# KiCad board hackboard.kicad_pcb (continued)
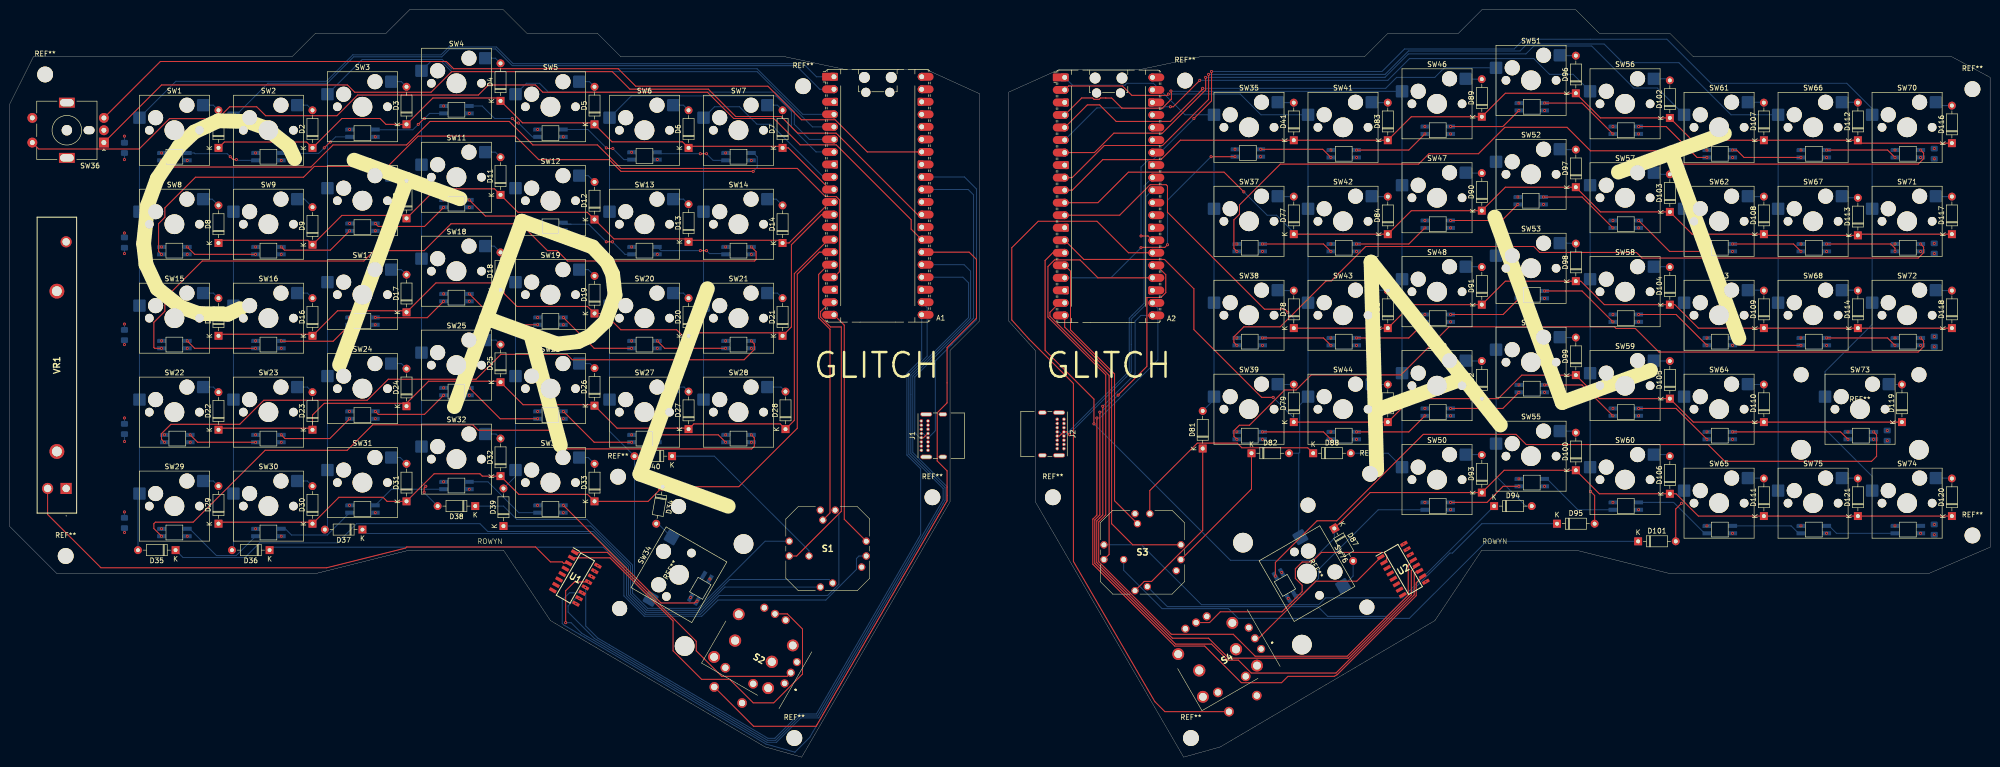
[diagram p0: board, top side]
## Routing (per net, layer and track width the routed paths; a pad name or vN(x,y) marks a point on that pad's centre or on a via; arc(x,y) is an arc through that point) (continued)
Net-(D38-K): length 81.2
  Bottom w0.2: S1.9 153.03,43.78 139.42,30.17 129.22,30.17 126.16,33.23 126.16,38.94 116.9,48.2 102.71,48.2 100.01,50.9 D38.1
Net-(D39-K): length 80
  Bottom w0.2: D39.1 117.69,46.85 125.76,38.78 125.76,33.06 129.06,29.77 139.59,29.77 145.83,36.02 166.01,36.02 S1.2
Net-(D40-K): length 36.7
  Bottom w0.2: S1.11 161.93,41.84 142.75,61.02 D40.1
Net-(D41-A): length 3.3
  Bottom w0.2: D41.2 257,132.7 SW35.2
Net-(D42-DOUT): length 14.5
  Top w0.2: v1(44.65,121.74) 45.24,121.15 v1(45.9,121.15)
  Bottom w0.2: D43.3 46.06,120.99 v1(45.9,121.15) ; D42.1 37.35,122.49 37.5,122.34 44.05,122.34 v1(44.65,121.74)
Net-(D43-DOUT): length 15.3
  Top w0.2: v1(64.95,124.72) 64.89,124.72 v1(63.7,123.53)
  Bottom w0.2: D43.1 55.05,122.43 62.6,122.43 v1(63.7,123.53) ; D44.3 65.99,125.75 v1(64.95,124.72)
Net-(D44-DOUT): length 15.3
  Top w0.2: v1(84,129.48) 83.94,129.48 v1(82.75,128.29)
  Bottom w0.2: v1(82.75,128.29) 81.65,127.19 74.1,127.19 D44.1 ; D45.3 85.04,130.52 v1(84,129.48)
Net-(D45-DOUT): length 16.4
  Top w0.2: v1(101.8,129.48) 102.71,128.57 v1(103.05,128.57)
  Bottom w0.2: D46.3 105.87,125.75 v1(103.05,128.57) ; v1(101.8,129.48) 98.23,129.48 95.69,132.02 D45.1
Net-(D46-DOUT): length 16.4
  Top w0.2: v1(120.85,123.53) 120.98,123.39 v1(122.17,123.39)
  Bottom w0.2: D47.3 124.42,121.15 v1(122.17,123.39) ; D46.1 117.12,127.25 v1(120.85,123.53)
Net-(D47-DOUT): length 14.5
  Top w0.2: v1(139.9,122.34) v1(141.15,122.34)
  Bottom w0.2: v1(139.9,122.34) 131.5,122.34 D47.1 ; v1(141.15,122.34) 142.5,120.99 D48.3
Net-(D48-DOUT): length 143.2
  Top w0.2: v1(30.74,101.94) 30.14,102.54 30.14,108.17 31.4,109.44 31.4,111.37 37.61,117.57 59.5,117.57 61.7,119.77 76.58,119.77 82.72,125.91 102.39,125.91 107.16,121.15 121.44,121.15 123.83,118.76 v1(150.61,118.76)
  Bottom w0.2: v1(150.61,118.76) 151.44,119.58 151.44,121.7 150.65,122.49 D48.1
Net-(D49-DOUT): length 14.5
  Top w0.2: v1(35.94,103.44) 37.44,101.94 v1(49.79,101.94)
Net-(D50-DOUT): length 15.7
  Top w0.2: v1(54.99,103.44) 55.65,102.78 64.91,102.78 v1(68.84,106.7)
Net-(D51-DOUT): length 15.7
  Top w0.2: v1(74.04,108.2) 74.65,107.59 84.02,107.59 v1(87.89,111.47)
Net-(D52-DOUT): length 16.4
  Top w0.2: v1(93.09,112.97) 96.34,109.71 104.09,109.71 v1(106.94,106.86)
Net-(D55-DOUT): length 144.8
  Top w0.2: v1(30.74,82.89) 29.32,82.89 29.17,83.05 29.17,88.16 31.4,90.39 31.4,92.99 31.39,93 38.98,100.59 71.72,100.59 73.82,102.69 83.94,102.69 89.39,108.14 103.49,108.14 108.94,102.69 110.88,102.69 112.98,100.59 150.89,100.59 151.21,100.91 151.21,102.47 v1(150.24,103.44)
Net-(D56-DOUT): length 14.5
  Top w0.2: v1(49.79,82.89) 37.44,82.89 v1(35.94,84.39)
Net-(D57-DOUT): length 15.3
  Top w0.2: v1(54.99,84.39) 55.05,84.33 65.51,84.33 v1(68.84,87.65)
Net-(D58-DOUT): length 15.3
  Top w0.2: v1(87.89,92.42) 84.56,89.09 74.1,89.09 v1(74.04,89.15)
Net-(D59-DOUT): length 16.4
  Top w0.2: v1(106.94,87.65) 99.35,87.65 v1(93.09,93.92)
Net-(D60-DOUT): length 16.4
  Top w0.2: v1(125.99,82.89) 118.4,82.89 v1(112.14,89.15)
Net-(D61-DOUT): length 14.5
  Top w0.2: v1(131.19,84.39) 132.69,82.89 v1(145.04,82.89)
Net-(D62-DOUT): length 132.1
  Top w0.2: v1(31.33,63.84) 30.73,64.44 30.73,65.59 32.62,67.48 46.57,67.48 51.45,72.36 72.41,72.36 76.67,76.62 94.45,76.62 99.49,81.67 112.85,81.67 113.95,80.57 148.77,80.57 150.84,82.64 150.84,83.79 v1(150.24,84.39)
Net-(D63-DOUT): length 13.9
  Top w0.2: v1(49.79,63.84) 38.03,63.84 v1(36.53,65.34)
Net-(D64-DOUT): length 15.8
  Top w0.2: v1(54.99,65.34) 55.74,64.59 64.82,64.59 v1(68.84,68.6)
Net-(D65-DOUT): length 15.7
  Top w0.2: v1(87.89,73.37) 84.02,69.49 74.65,69.49 v1(74.04,70.1)
Net-(D66-DOUT): length 16.4
  Top w0.2: v1(106.94,68.6) 99.35,68.6 v1(93.09,74.87)
Net-(D67-DOUT): length 16.4
  Top w0.2: v1(112.14,70.1) 118.4,63.84 v1(125.99,63.84)
Net-(D68-DOUT): length 14.5
  Top w0.2: v1(145.04,63.84) 143.54,65.34 v1(131.19,65.34)
Net-(D69-DOUT): length 138
  Top w0.2: v1(30.74,44.79) 29.17,46.36 29.17,47.33 29.49,47.64 37.14,47.64 51.71,62.21 68.34,62.21 73.51,67.38 93.8,67.38 94.9,66.28 109.19,66.28 112.98,62.49 150.3,62.49 150.84,63.03 150.84,64.74 v1(150.24,65.34)
Net-(D70-DOUT): length 17.7
  Bottom w0.2: D70.1 36.43,46.29 41.85,40.87 45.86,40.87 D71.3
Net-(D71-DOUT): length 16.2
  Bottom w0.2: D72.3 64.32,45.04 57.06,45.04 55.8,46.29 D71.1
Net-(D72-DOUT): length 15.2
  Bottom w0.2: D73.3 77.3,54.32 D72.1
Net-(D73-DOUT): length 16.4
  Bottom w0.2: D73.1 96.88,55.82 103.14,49.55 D74.3
Net-(D74-DOUT): length 34.8
  Top w0.2: 138.71,31.25 131.94,31.25 v1(112.14,51.05)
Net-(D77-A): length 3.3
  Bottom w0.2: SW37.2 257,113.65 D77.2
Net-(D78-A): length 3.3
  Bottom w0.2: SW38.2 257,94.6 D78.2
Net-(D79-A): length 3.3
  Bottom w0.2: SW39.2 257,75.55 D79.2
Net-(D81-K): length 35.4
  Top w0.2: S3.1 229.85,35.62 231.34,35.62 241.7,45.98 D81.1
Net-(D82-K): length 27.5
  Top w0.2: D82.1 251.58,54.35 S3.4
Net-(D83-A): length 3.3
  Bottom w0.2: D83.2 276.05,132.7 SW41.2
Net-(D84-A): length 3.3
  Bottom w0.2: SW42.2 276.05,113.65 D84.2
Net-(D85-A): length 3.3
  Bottom w0.2: SW43.2 279.12,94.67 D85.2
Net-(D86-A): length 3.3
  Bottom w0.2: SW44.2 276.05,75.55 D86.2
Net-(D87-A): length 5.9
  Bottom w0.2: SW76.2 272.18,36.72 D87.2
Net-(D88-K): length 42.6
  Top w0.2: S3.6 230.98,54.05 240.6,63.67 248.69,63.67 249.64,62.72 262.98,62.72 D88.1
Net-(D89-A): length 3.3
  Bottom w0.2: SW46.2 295.1,137.46 D89.2
Net-(D90-A): length 3.3
  Bottom w0.2: D90.2 295.1,118.41 SW47.2
Net-(D91-A): length 3.3
  Bottom w0.2: D91.2 298.17,99.44 SW48.2
Net-(D92-A): length 3.3
  Bottom w0.2: D92.2 295.1,80.31 SW49.2
Net-(D93-A): length 3.3
  Bottom w0.2: SW50.2 298.17,61.34 D93.2
Net-(D94-K): length 92.4
  Bottom w0.2: D94.1 282.15,32.3 266.59,32.3 265.2,30.91 241.44,30.91 229.3,43.05 S3.9
Net-(D95-K): length 93.3
  Bottom w0.2: S3.2 234.54,30.51 265.04,30.51 267.01,28.54 278.96,28.54 291.79,41.37 292.3,41.37 298.25,47.33 D95.1
Net-(D96-A): length 3.3
  Bottom w0.2: SW51.2 314.15,142.22 D96.2
Net-(D97-A): length 3.3
  Bottom w0.2: SW52.2 314.15,123.17 D97.2
Net-(D98-A): length 3.3
  Bottom w0.2: SW53.2 317.22,104.2 D98.2
Net-(D99-A): length 3.3
  Bottom w0.2: SW54.2 314.15,85.07 D99.2
Net-(D100-A): length 3.4
  Bottom w0.2: SW55.2 316.98,66.1 D100.2
Net-(D101-K): length 116.9
  Bottom w0.2: D101.1 299.2,43.76 283.58,28.14 248.9,28.14 246.93,30.11 233.45,30.11 225.68,37.89 S3.11
Net-(D102-A): length 3.4
  Bottom w0.2: SW56.2 336.03,137.54 D102.2
Net-(D103-A): length 3.4
  Bottom w0.2: D103.2 333.43,118.17 SW57.2
Net-(D104-A): length 3.3
  Bottom w0.2: SW58.2 336.27,99.44 D104.2
Net-(D105-A): length 3.3
  Bottom w0.2: SW59.2 333.2,80.31 D105.2
Net-(D106-A): length 3.4
  Bottom w0.2: SW60.2 336.03,61.34 D106.2
Net-(D107-A): length 3.3
  Bottom w0.2: SW61.2 355.32,132.77 D107.2
Net-(D108-A): length 3.3
  Bottom w0.2: D108.2 352.25,113.65 SW62.2
Net-(D109-A): length 3.3
  Bottom w0.2: SW63.2 355.32,94.67 D109.2
Net-(D110-A): length 3.3
  Bottom w0.2: D110.2 352.25,75.55 SW64.2
Net-(D111-A): length 3.3
  Bottom w0.2: D111.2 355.32,56.57 SW65.2
Net-(D112-A): length 3.3
  Bottom w0.2: SW66.2 374.37,132.77 D112.2
Net-(D113-A): length 3.4
  Bottom w0.2: SW67.2 371.53,113.41 D113.2
Net-(D114-A): length 3.3
  Bottom w0.2: D114.2 374.37,94.67 SW68.2
Net-(D115-DIN): length 14.9
  Top w0.2: v1(267.67,121.59) 266.02,123.24 v1(253.45,123.24)
Net-(D115-DOUT): length 15.2
  Top w0.2: v1(272.87,123.09) 283.46,123.09 v1(286.72,126.35)
Net-(D116-A): length 3.5
  Bottom w0.2: SW70.2 390.94,132.1 D116.2
Net-(D117-A): length 3.3
  Bottom w0.2: SW71.2 390.35,113.65 D117.2
Net-(D118-A): length 3.3
  Bottom w0.2: D118.2 390.35,94.6 SW72.2
Net-(D119-A): length 2.7
  Bottom w0.2: SW73.2 380.81,75.55 D119.2
Net-(D120-A): length 3.3
  Bottom w0.2: D120.2 393.42,56.57 SW74.2
Net-(D121-A): length 3.3
  Bottom w0.2: D121.2 374.37,56.57 SW75.2
Net-(D122-DOUT): length 15.2
  Top w0.2: v1(305.77,131.11) 302.51,127.85 v1(291.92,127.85)
Net-(D123-DOUT): length 16.4
  Top w0.2: v1(310.97,132.61) 318.56,132.61 v1(324.82,126.35)
Net-(D124-DOUT): length 16.4
  Top w0.2: v1(343.87,121.59) 341.86,121.59 335.6,127.85 v1(330.02,127.85)
Net-(D125-DOUT): length 14.5
  Top w0.2: v1(362.92,121.59) 351.39,121.59 349.89,123.09 v1(349.07,123.09)
Net-(D126-DOUT): length 14.5
  Top w0.2: v1(381.97,121.59) 380.47,123.09 v1(368.12,123.09)
Net-(D127-DOUT): length 160.8
  Top w0.2: v1(387.17,123.09) 387.77,122.49 387.77,121.34 386.67,120.24 337.26,120.24 334.57,122.93 320.28,122.93 315.52,127.69 302.92,127.69 297.56,122.34 287.54,122.34 285.44,120.24 257.42,120.24 249.14,111.96 249.14,110.06 248.02,108.94 248.02,103.14 v1(248.62,102.54)
Net-(D128-DOUT): length 14.5
  Top w0.2: v1(253.82,104.04) 266.17,104.04 v1(267.67,102.54)
Net-(D129-DOUT): length 15.2
  Top w0.2: v1(286.72,107.3) 283.46,104.04 v1(272.87,104.04)
Net-(D132-DOUT): length 15
  Top w0.2: v1(305.55,112.06) 302.29,108.8 v1(291.92,108.8)
Net-(D133-DOUT): length 16.7
  Top w0.2: v1(324.82,107.3) 318.56,113.56 v1(310.75,113.56)
Net-(D134-DOUT): length 16.4
  Top w0.2: v1(343.87,102.54) 336.28,102.54 v1(330.02,108.8)
Net-(D135-DOUT): length 14.5
  Top w0.2: v1(349.07,104.04) 361.42,104.04 v1(362.92,102.54)
Net-(D136-DOUT): length 14.9
  Top w0.2: v1(381.97,102.54) 381.97,103.19 381.12,104.04 v1(368.12,104.04)
Net-(D137-DOUT): length 152.9
  Top w0.2: v1(248.62,83.49) 248.02,84.09 248.02,85.24 250.03,87.24 257.39,87.24 266.7,96.55 ; v1(387.17,104.04) 387.77,103.44 387.77,102.29 386.67,101.19 330.72,101.19 329.58,102.32 309.99,102.32 308.78,103.54 274.72,103.54 267.74,96.55 266.7,96.55 ; 266.7,96.55 266.51,96.55
Net-(D138-DOUT): length 14.5
  Top w0.2: v1(267.67,83.49) 266.17,84.99 v1(253.82,84.99)
Net-(D139-DOUT): length 15.2
  Top w0.2: v1(286.72,88.25) 283.46,84.99 v1(272.87,84.99)
Net-(D140-DOUT): length 15.2
  Top w0.2: v1(291.92,89.75) 302.57,89.75 305.77,92.95 v1(305.77,93.01)
Net-(D141-DOUT): length 16.4
  Top w0.2: v1(310.97,94.51) 318.56,94.51 v1(324.82,88.25)
Net-(D144-DOUT): length 16.4
  Top w0.2: v1(330.02,89.75) 337.61,89.75 v1(343.87,83.49)
Net-(D145-DOUT): length 14.5
  Top w0.2: v1(349.07,84.99) 350.57,83.49 v1(362.92,83.49)
Net-(D146-DOUT): length 14.5
  Top w0.2: v1(381.97,83.49) 380.47,84.99 v1(368.12,84.99)
Net-(D147-DOUT): length 155
  Top w0.2: v1(387.17,84.99) 387.77,84.39 387.77,83.24 386.67,82.14 334.13,82.14 329.37,86.9 325.47,86.9 325.12,87.25 291.62,87.25 281.87,77.5 263.66,77.5 260.61,74.44 258.32,74.44 251.16,67.29 249.12,67.29 248.02,66.19 248.02,65.04 v1(248.62,64.44)
Net-(D148-DOUT): length 14.5
  Top w0.2: v1(267.67,64.44) 266.17,65.94 v1(253.82,65.94)
Net-(D149-DOUT): length 15.2
  Top w0.2: v1(272.87,65.94) 283.46,65.94 v1(286.72,69.2)
Net-(D150-DOUT): length 15.2
  Top w0.2: v1(305.77,73.96) 302.51,70.7 v1(291.92,70.7)
Net-(D151-DOUT): length 16.4
  Top w0.2: v1(324.82,69.2) 318.56,75.46 v1(310.97,75.46)
Net-(D152-DOUT): length 16.4
  Top w0.2: v1(330.02,70.7) 337.61,70.7 v1(343.87,64.44)
Net-(D153-DOUT): length 24
  Top w0.2: v1(349.07,65.94) 370.95,65.94 v1(372.45,64.44)
Net-(D154-DOUT): length 143.2
  Top w0.2: v1(256.42,36.7) 256.42,39.47 264.87,47.92 268.86,47.92 286.38,65.44 305.19,65.44 307.26,63.37 344.09,63.37 347.48,59.97 377.23,59.97 378.25,61 378.25,65.34 v1(377.65,65.94)
Net-(D155-DOUT): length 34.6
  Bottom w0.2: D156.3 277.26,50.15 265.17,38.06 265.17,36.23 261.89,32.95 D155.1
Net-(D156-DOUT): length 15.2
  Top w0.2: v1(291.92,51.65) 299.3,51.65 302.56,54.91 v1(305.77,54.91)
Net-(D157-DOUT): length 16.4
  Bottom w0.2: D158.3 317.72,50.15 311.46,56.41 D157.1
Net-(D158-DOUT): length 16.4
  Bottom w0.2: D158.1 337.12,51.65 343.38,45.39 D159.3
Net-(D159-DOUT): length 14.5
  Bottom w0.2: D159.1 360.93,46.89 362.43,45.39 D160.3
Net-(D160-DOUT): length 14.5
  Bottom w0.2: D160.1 368.61,46.89 370.11,45.39 D161.3
Net-(U1-CH0): length 55.6
  Top w0.2: U1.1 121.06,41.51 139.07,23.5 139.07,21.55 144.25,16.37 157.49,16.37 S2.A12
Net-(U1-CH1): length 80.9
  Top w0.2: S2.B12 157.54,29.04 160.6,25.97 160.6,16.84 154.78,11.01 150.61,11.01 145.85,15.78 140.16,15.78 134.38,21.55 134.38,27.62 121.59,40.41 U1.2
Net-(U1-CH2): length 117.2
  Top w0.2: VR1.2 7.65,49.2 18.45,38.4 64.2,38.4 80.2,42.4 80.41,42.61 106.52,42.61 109.54,39.59 111.92,39.59 112.2,39.31 U1.3
Net-(U2-CH0): length 32.3
  Top w0.2: U2.1 272.9,35.67 264.61,35.67 253.03,24.09 S4.A12
Net-(U2-CH1): length 51.1
  Top w0.2: U2.2 278.97,40 278.97,40.94 278.4,41.51 265.75,41.51 263.8,39.56 261.85,39.56 260.47,38.18 260.47,36.23 261.85,34.86 261.85,33.55 257.77,29.47 245.27,29.47 243.09,27.29 S4.B12
unconnected-(D54-DIN-Pad3): length 15.2
  Top w0.2: v1(122.1,104.48) v1(120.85,104.48)
  Bottom w0.2: D54.3 124.64,101.94 v1(122.1,104.48) ; 113.34,108.05 117.28,108.05 v1(120.85,104.48)
unconnected-(D54-DOUT-Pad1): length 12.8
  Top w0.2: v1(139.9,102.69) v1(141.15,102.69)
  Bottom w0.2: D54.1 131.94,102.69 v1(139.9,102.69) ; 143.47,102.1 141.75,102.1 v1(141.15,102.69)
unconnected-(D75-DIN-Pad3):
  vias: v1(139.25,31.6)

## Copper pours and planes (outline as drawn; the poured copper is in the pictures)
+5V on In1.Cu: -4.76,160.44 -5.95,150.32 -6.55,13.99 198.83,-8.04 197.05,144.36
+5V on In1.Cu: 199.43,144.36 200.62,-8.04 428.63,18.16 404.22,174.13
GND on In2.Cu: -6.55,153.89 -5.95,33.64 164.31,-9.82 241.1,-9.23 308.97,29.47 408.98,30.06 410.17,162.22

## Text on the board
F.Silkscreen: ROWYN | GLITCH | ALT | CTRL
